# Altium PCB ESP8266-07.PcbDoc (part 2 of 2)
Units mm, origin at the board's own origin, x right, y up, seen from the top; angles counter-clockwise.
Board outline 86.49 x 77.72 mm, 2 copper layers (Top Layer, Bottom Layer); 174 components, 117 nets, 486 pads, 187 vias.
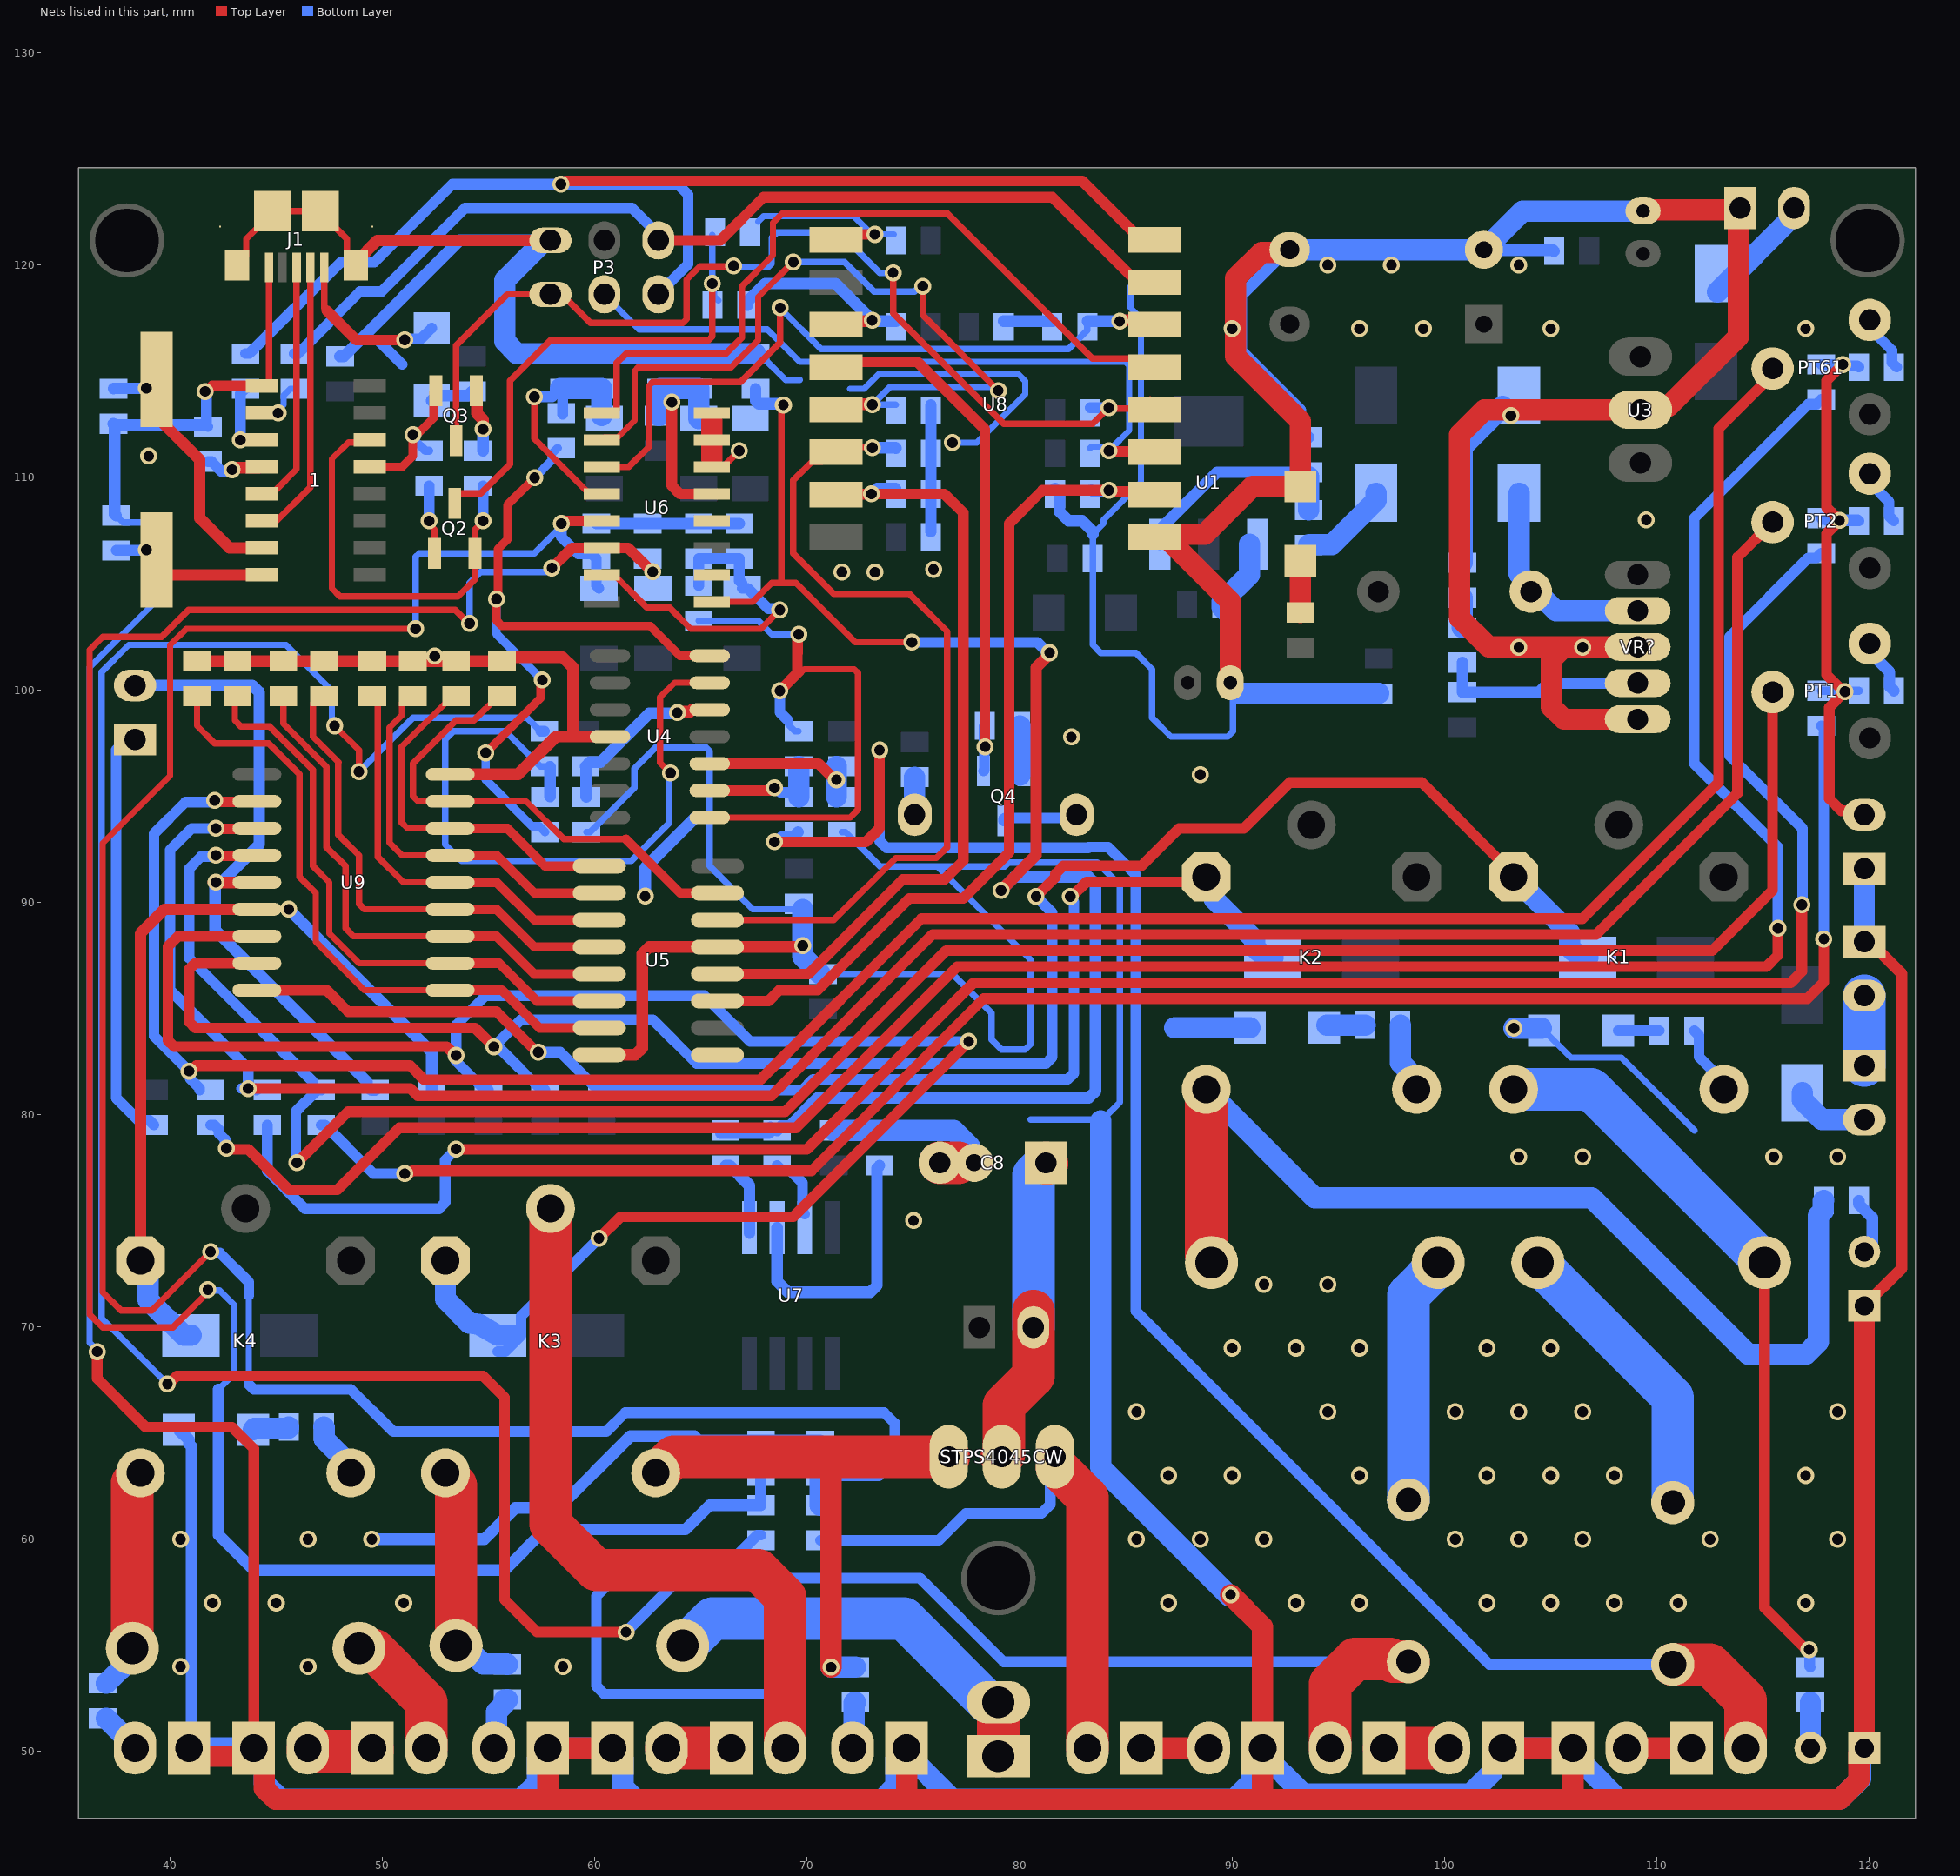
[diagram p2: the nets of this part, all layers, seen from the top]

## Via types
v1: diameter 0.8, hole 0.5, Top Layer to Bottom Layer, 187 vias

## Nets (pads, with @x,y where several pads share a name; then routed paths per layer and width w, separated by ;. In a path a pad name is that pad's centre, name@x,y a point inside that pad or via, vN(x,y) a via of type N, cw(c..) or ccw(c..) an arc to the next point about the centre after c; other vN are vias at no path point) (continued)
ADC_CELL: C20.1 D7.1 R42.2 R47.1 U6.14 | length 110.2
  Top Layer w0.3: v1(41.783,71.755) 41.783,71.628 40.132,69.977 36.83,69.977 36.218,70.589 36.218,101.877 36.83,102.489 39.603,102.489 40.873,103.759 53.422,103.759 54.057,103.124 v1(54.102,103.124)
  Top Layer w0.5: v1@57.912,105.664 58.928,106.68 61.566,106.68 v1@62.709,105.537
  Bottom Layer w0.3: v1(41.783,71.755) 41.83,71.708 42.338,71.708 43.034,71.012 43.034,67.793 42.291,67.05 ; v1(54.102,103.124) 54.102,105.029 54.61,105.537 57.703,105.537 v1@57.897,105.732
  Bottom Layer w0.5: v1@57.897,105.732 v1(57.978,105.732)
  Bottom Layer w0.54: 42.291,67.05 42.291,60.198 43.942,58.547 55.753,58.547 57.67,60.464 64.274,60.464 65.404,61.594 R42.2@67.818,61.594 R47.1@67.818,62.992
  other v1: 62.724,105.551
ADC_VCC_IN: C19.1 D6.1 R41.2 R46.1 U6.13 | length 113.4
  Top Layer w0.3: v1(41.911,73.534) 39.142,70.765 37.702,70.765 36.83,71.637 36.83,92.773 40.005,95.948 40.005,102.108 40.767,102.87 v1(51.562,102.87)
  Top Layer w0.5: v1(58.42,107.823) 58.501,107.823 58.628,107.95 U6.13@60.328,107.95
  Bottom Layer w0.3: 43.707,67.291 43.707,71.482 ; v1(51.562,102.87) 51.562,106.25 51.738,106.426 57.15,106.426 58.42,107.696 v1(58.42,107.823)
  Bottom Layer w0.5: v1(41.911,73.534) 41.968,73.476 42.348,73.476 43.707,72.117 43.707,71.482 ; 43.707,67.291 43.942,67.056 48.514,67.056 50.507,65.063 60.54,65.063 61.436,65.96 73.613,65.96 74.129,65.444 74.129,63.754 73.367,62.992 R46.1@70.612,62.992 ; v1(58.42,107.823) 58.42,107.188 59.211,106.397 59.846,106.397 C19.1@60.071,106.172 60.071,104.901 D6.1@60.198,104.774
  Bottom Layer w1: R41.2@70.612,61.594 R46.1@70.612,62.992
BUZZER: Q4.1 R32.2 U8.4 | length 25.4
  Top Layer w0.5: U8.4@71.36,115.443 75.184,115.443 78.359,112.268 78.359,97.331 v1(78.374,97.316)
  Bottom Layer w0.5: Q4.1@78.298,96.171 78.336,96.209 78.336,97.278 v1(78.374,97.316) ; v1@78.329,97.316 78.329,98.267 R32.2@78.36,98.298
CHARGE_CELL: D21.2 K3.3 R87.2 | length 11.1
  Top Layer w2: K3.3@52.965,63.119 52.965,63.038 53.467,62.536 D21.2@53.467,54.991
  Bottom Layer w1: D21.2@53.467,54.991 53.873,54.991 54.737,54.127 55.855,54.127 R87.2@55.88,54.102
CS0: R29.2 U5.11 U8.16 | length 39.9
  Top Layer w0.5: U5.11@65.773,85.344 68.176,85.344 68.692,85.86 70.493,85.86 74.803,90.17 77.343,90.17 79.502,92.329 79.502,107.823 81.066,109.387 v1(84.194,109.387) 84.251,109.33 U8.16@85.78,109.33
  Bottom Layer w0.5: R29.2@83.368,109.418 83.456,109.33 v1@84.194,109.33
CURRENT_BUF_OUT1: R17.2 R43.1 U4.1 | length 26.9
  Top Layer w0.3: U4.1@65.411,93.98 72.014,93.98 72.39,94.356 72.39,100.789 72.214,100.965 69.857,100.965 69.602,100.71
  Top Layer w0.5: v1(68.707,99.949) 69.535,100.777 69.535,101.716 69.539,101.719 69.539,102.559 v1(69.596,102.616)
  Bottom Layer w0.3: R43.1@64.897,103.249 67.693,103.249 68.326,102.616 v1(69.596,102.616) ; 69.096,98.543 69.096,98.368 69.421,98.043 R17.2@69.596,98.043
  Bottom Layer w0.5: v1(68.707,99.949) 68.707,98.932 69.096,98.543
CURRENT_BUF_OUT2: R19.2 R40.1 U4.7 | length 34.4
  Top Layer w0.4: v1(54.864,97.028) 57.454,99.618 57.454,100.38 v1(57.531,100.457) ; v1(57.169,109.982) 55.88,108.693 55.88,107.061 55.449,106.63 55.449,104.344 v1(55.372,104.267) 55.372,103.251 55.626,102.997 62.611,102.997 64.008,101.6 U4.7@65.411,101.6
  Bottom Layer w0.4: v1(54.864,97.028) 54.864,95.758 57.049,93.573 57.383,93.573 R19.2@57.658,93.298 ; v1(55.372,104.267) 55.372,102.616 v1(57.531,100.457) ; v1(57.169,109.982) 57.97,110.783 57.97,111.104 R40.1@58.245,111.379
CURRENT_IN1: C21.1 D8.1 R43.2 R48.1 U6.15 | length 16.6
  Top Layer w0.3: U6.15@60.328,105.41 60.913,105.41 62.437,103.886 63.5,103.886 64.516,102.87 67.818,102.87 v1(68.707,103.759)
  Bottom Layer w0.254: D8.1@66.929,105.029 D8.1@66.929,104.774 D8.1@66.929,104.774
  Bottom Layer w0.5: R43.2@64.897,104.899 R48.1@64.897,106.172 C21.1@66.802,106.172 66.802,105.124 66.897,105.029 D8.1@66.929,105.029 ; D8.1@66.929,104.774 67.203,104.775 68.162,103.816 68.65,103.816 v1(68.707,103.759)
CURRENT_IN2: C18.1 D5.1 R40.2 R44.1 U6.12 | length 12.2
  Top Layer w0.3: v1(57.15,113.792) 57.15,111.814 59.744,109.22 U6.12@60.328,109.22
  Bottom Layer w0.5: v1(57.15,113.792) 57.991,113.792 R44.1@58.372,114.173 ; R40.2@58.483,112.964 R44.1@58.483,114.11 ; D5.1@60.325,112.902 D5.1@60.452,112.775
  Bottom Layer w1: R44.1@58.372,114.173 C18.1@60.325,114.173 D5.1@60.325,112.902
CURRENT_IN3: C24.1 D9.1 R54.2 R57.1 U6.1 | length 73.1
  Top Layer w0.3: U6.1@65.51,104.14 67.437,104.14 68.326,105.029 68.788,105.029 ; v1(68.876,113.411) 68.788,113.323 68.788,105.029 ; v1(74.93,102.235) 72.263,102.235 69.469,105.029 68.788,105.029
  Top Layer w0.54: v1(79.121,90.551) 80.772,92.202 80.772,101.042 81.407,101.677 v1(81.407,101.742)
  Bottom Layer w0.5: v1(74.93,102.235) 80.833,102.235 81.326,101.742 v1(81.407,101.742)
  Bottom Layer w0.54: R57.1@65.941,79.121 68.2,79.121 68.263,79.184 R54.2@68.263,79.39 ; C24.1@67.564,114.173 67.564,113.601 67.704,113.461 68.826,113.461 v1(68.876,113.411) ; R54.2@68.58,79.247 68.785,79.452 69.165,79.452 70.493,80.78 83.25,80.78 83.566,81.096 83.566,90.87 83.25,91.186 79.756,91.186 v1(79.121,90.551)
CURRENT_IN4: C22.1 D10.1 R55.2 R58.1 U6.5 | length 10.5
  Top Layer w0.5: v1(63.627,113.538) 63.627,109.601 64.008,109.22 U6.5@65.51,109.22
  Bottom Layer w1: R55.2@62.992,112.9 63.031,112.9 63.056,112.925 63.056,114.148 63.081,114.173 R58.1@63.119,114.173 C22.1@64.897,114.173 D10.1@64.897,112.775
CURRENT_IN5: U6.2
CURRENT_OUT1: P7.2 R13.1 R66.2 | length 85.9
  Top Layer w0.5: v1(68.453,92.837) 72.771,92.837 73.406,93.472 v1(73.406,97.155)
  Top Layer w2: R66.2@110.744,54.102 110.75,54.096 112.493,54.096 114.173,52.416 P7.2@114.173,50.165
  Bottom Layer w0.5: v1@68.77,93.073 69.324,93.073 69.572,93.321 R13.1@69.596,93.298 ; v1(73.406,97.155) 73.406,92.876 73.725,92.557 83.236,92.557 83.262,92.583 84.162,92.583 85.471,91.274 85.471,70.739 102.108,54.102 R66.2@110.744,54.102
CURRENT_OUT2: P12.2 R15.1 R73.2 | length 140.4
  Top Layer w0.3: v1(47.748,98.302) 48.895,97.155 v1(48.895,96.139)
  Top Layer w0.5: v1(39.878,67.31) 39.94,67.31 40.321,67.691 54.737,67.691 55.753,66.675 55.753,57.15 57.277,55.626 v1(61.468,55.626)
  Top Layer w2: P12.2@94.615,50.165 94.615,53.184 95.787,54.356 97.443,54.356 97.564,54.235 98.292,54.235 R73.2@98.298,54.229
  Bottom Layer w0.3: v1(39.878,67.31) 36.777,70.411 36.777,100.827 38.058,102.108 45.466,102.108 47.625,99.949 47.625,98.637 47.69,98.572 v1@47.69,98.441 ; v1(48.895,96.139) 51.435,98.679 56.81,98.679 R15.1@57.446,98.043
  Bottom Layer w0.5: R15.1@57.446,98.043 R15.1@57.621,98.043 ; v1(61.468,55.626) 64.008,58.166 75.311,58.166 79.248,54.229 R73.2@98.298,54.229
DTR: 1.13 Q3.2 R64.1 | length 7
  Top Layer w0.4: 1.13@49.403,110.49 49.974,110.49 50.927,110.49 51.435,110.998 v1(51.435,112.014) ; v1@51.534,111.915 52.417,112.798 52.417,113.978 Q3.2@52.517,114.078
  Bottom Layer w0.4: v1(51.435,112.014) 51.512,111.937 51.512,111.762 52.022,111.252 R64.1@52.197,111.252
EN: R9.1 R36.2 U8.3 | length 9.9
  Top Layer w0.55: U8.3@71.407,117.395 71.455,117.348 73.008,117.348 v1(73.055,117.395)
  Bottom Layer w0.55: R9.1@67.183,118.11 67.183,118.285 68.024,119.126 71.325,119.126 v1(73.055,117.395) ; v1@73.084,117.348 R36.2@74.169,117.348
GND: 1.1 C2.2 C3.2 C4.2 C5.2 C6.2 C8.2 C9.2 C10.2 C11.2 C12.2 C13.2 C14.1 C15.2 C16.2 C17.2 C18.2 C19.2 C20.2 C21.2 C22.2 C24.2 C25.2 C26.2 C27.1 C28.2 C29.2 D4.1 J1.5 J1.6 J1.7 J1.8 J1.9 J1.10 J1.11 LED1.2 LED4.2 LED5.2 LED6.2 LED_OUT1.1 LED_OUT2.1 LED_OUT3.1 LED_OUT4.1 LED_OUT5.1 P1.1 P3.5 P4.1 P5.1 P8.1 P9.1 P11.1 P14.1 P17.1 Q4.2 R7.2 R16.2 R18.2 R20.2 R21.2 R22.2 R23.2 R24.2 R25.2 R26.2 R27.2 R28.1 R29.1 R30.1 R31.1 R32.1 R35.1 R44.2 R46.2 R47.2 R48.2 R57.2 R58.2 U1.1 U3.2 U4.11 U5.8 U5.13 U6.6 U6.7 U6.8 U7.5 U8.15 U9.9 VR?.3 VR?.5 | length 794.9
  Top Layer w0.3: J1.9@43.165,119.998 43.59,120.423 43.59,121.219 44.834,122.463 J1.11@44.834,122.538 J1.10@47.084,122.538 47.084,122.463 48.328,121.219 48.328,120.423 J1.8@48.753,119.998 ; 1.1@44.659,114.213 J1.5@44.659,119.888 ; U6.6@65.51,110.49 66.04,110.49 v1(66.802,111.252)
  Top Layer w0.5: v1(36.576,68.834) 36.576,67.564 38.862,65.278 42.926,65.278 43.942,64.262 P11.1@43.942,50.165 ; v1(41.656,114.046) 41.737,114.046 41.991,114.3 1.1@44.069,114.3
  Top Layer w0.54: J1.8@48.753,119.998 48.753,120.148 49.763,121.158 P3.5@57.912,121.158 P3.5@58.039,121.158 ; LED_OUT2.1@119.761,70.993 121.523,72.755 121.523,86.626 120.011,88.138 P14.1@119.761,88.138
  Top Layer w0.55: R20.2@41.656,101.346 R21.2@43.18,101.346 R22.2@45.339,101.346 R23.2@47.244,101.346 R24.2@49.53,101.346 R25.2@51.435,101.346 R26.2@53.467,101.346 R27.2@55.626,101.346 55.812,101.532 58.488,101.532 58.984,101.036 58.984,97.79 ; U9.9@53.191,96.012 56.388,96.012 58.166,97.79 58.984,97.79 ; U5.8@60.211,82.804 61.908,82.804 62.23,83.126 62.23,87.562 62.552,87.884 U5.13@65.773,87.884 69.723,87.884 v1(69.787,87.947) ; U4.11@60.711,97.79 58.984,97.79
  Top Layer w1: LED_OUT5.1@40.894,49.784 43.942,49.784 44.442,49.284 44.442,48.26 44.958,47.744 58.039,47.744 ; P4.1@60.833,50.165 LED_OUT4.1@57.785,50.165 57.785,47.998 58.039,47.744 ; 65.51,110.871 65.51,112.649 ; LED_OUT3.1@74.676,50.165 74.676,47.871 74.549,47.744 ; C8.2@77.865,77.724 C8.2@77.865,77.94 ; U8.15@86.36,107.189 U8.15@86.91,107.189 ; C2.2@89.916,100.33 89.916,104.14 87.11,106.946 87.11,107.089 87.01,107.189 U8.15@86.91,107.189 ; v1(89.929,57.386) 91.44,55.874 P8.1@91.44,50.165 91.44,47.744 ; C9.2@92.71,120.721 92.585,120.596 91.386,120.596 90.17,119.38 90.17,115.697 93.218,112.649 LED1.2@93.218,109.573 90.968,109.573 88.71,107.315 87.01,107.315 87.01,107.289 U8.15@86.91,107.189 ; P9.1@102.743,50.165 P5.1@106.045,50.165 106.045,47.744 ; VR?.3@109.093,102.01 105.615,102.01 ; VR?.5@109.22,98.61 VR?.5@109.093,98.61 105.615,98.61 105.029,99.196 105.029,101.424 105.615,102.01 ; C10.2@109.347,122.539 109.399,122.591 113.828,122.591 113.828,116.622 110.541,113.335 109.373,113.335 U3.2@109.22,113.182 101.883,113.182 100.711,112.01 100.711,103.378 102.079,102.01 105.615,102.01 ; LED_OUT2.1@119.761,70.993 LED_OUT1.1@119.761,50.165 119.511,49.915 119.511,48.645 118.61,47.744 106.045,47.744 ; 58.039,47.744 74.549,47.744 ; 74.549,47.744 91.44,47.744 ; 91.44,47.744 106.045,47.744
  Top Layer w2: C8.2@76.24,77.724 C8.2@77.103,77.724
  Bottom Layer w0.3: v1(36.576,68.834) 36.576,68.902 36.218,69.26 36.218,101.052 39.694,104.528 39.694,106.915 38.73,107.879 37.79,107.879 C29.2@37.465,108.204 ; R18.2@59.6,93.298 59.775,93.298 61.864,95.386 61.864,96.281 62.865,97.282 65.229,97.282 65.405,97.106 65.405,91.694 67.437,89.662 69.781,89.662 C12.2@69.787,89.657 ; C24.2@67.564,115.823 67.739,115.823 68.976,114.586 69.64,114.586 ; C13.2@70.614,86.614 C13.2@70.739,86.614 76.835,86.614 78.675,84.774 78.675,83.529 79.146,83.058 80.264,83.058 80.518,83.312 80.518,87.285 76.128,91.675 ; R16.2@71.628,93.298 71.803,93.298 73.426,91.675 76.128,91.675 ; 72.009,114.173 72.678,114.173 73.394,114.889 79.91,114.889 80.264,114.535 80.264,113.919 77.978,111.633 v1(76.835,111.633) ; 80.518,79.756 83.898,79.756 84.709,80.567 84.709,90.805 83.819,91.695 83.654,91.86 79.477,91.86 79.292,91.675 76.128,91.675 ; 85.217,118.999 85.217,117.977 85.706,117.488 85.706,109.762 83.947,108.003 83.947,107.823 83.439,107.315 C14.1@83.439,106.172 83.439,102.108 83.82,101.727 85.471,101.727 86.233,100.965 86.233,98.679 87.122,97.79 89.789,97.79 90.043,98.044 90.043,100.086 90.043,100.203 C2.2@89.916,100.33 ; 87.122,84.328 87.122,84.25 87.298,84.074 ; LED4.2@104.567,84.056 LED4.2@104.676,83.947 105.946,82.677 108.331,82.677 111.76,79.248
  Bottom Layer w0.5: v1(41.656,114.046) 41.713,113.989 41.713,112.465 41.719,112.459 C27.1@41.783,112.395 ; 49.53,116.459 49.784,116.459 50.927,115.316
  Bottom Layer w0.55: C28.2@37.338,112.522 C28.2@37.401,112.459 ; C29.2@37.465,108.204 37.401,108.267 C28.2@37.401,112.459 ; LED6.2@40.414,65.151 40.889,64.676 40.889,64.486 41.021,64.354 41.021,50.292 LED_OUT5.1@40.894,50.165 ; C27.1@41.719,112.459 C28.2@37.401,112.459 ; C26.2@48.006,115.697 48.181,115.697 53.642,121.158 57.566,121.158 P3.5@57.639,121.158 ; v1(49.5,60) 54.793,60 56.261,61.468 58.293,61.468 61.669,64.844 64.696,64.844 64.898,64.642 R47.2@67.818,64.642 R47.2@67.818,64.642 R46.2@70.612,64.642 R46.2@70.612,64.642 ; C19.2@60.071,107.822 C20.2@62.484,107.822 R48.2@64.897,107.822 C21.2@66.802,107.822 ; v1(62.37,90.279) 62.37,91.625 64.725,93.98 64.897,93.98 ; R57.2@66.167,77.597 66.342,77.597 67.28,76.659 U7.5@67.28,74.676 U7.5@67.28,74.411 ; C25.2@75.819,107.442 R31.1@75.819,109.22 R30.1@75.819,111.125 R28.1@75.819,113.157 R28.1@75.819,113.411 ; C17.2@79.247,117.348 R35.1@81.534,117.348 ; R29.1@81.662,109.474 81.862,109.274 81.862,108.384 82.296,107.95 82.931,107.95 83.439,107.442 83.439,107.315 ; C9.2@92.71,120.721 92.583,120.721 90.424,118.562 90.424,115.951 93.224,113.151 93.224,112.086 93.424,111.886 C3.2@93.599,111.886 ; C5.2@101.854,120.721 101.89,120.686 105.12,120.686 C11.2@105.156,120.65
  Bottom Layer w1: LED_OUT5.1@40.894,50.165 P11.1@43.942,50.165 44.442,49.665 44.442,48.522 45.212,47.752 56.515,47.752 57.285,48.522 57.285,49.665 LED_OUT4.1@57.785,50.165 P4.1@60.833,50.165 61.333,49.665 61.333,48.33 61.919,47.744 73.525,47.744 74.176,48.395 74.176,49.665 LED_OUT3.1@74.676,50.165 74.676,49.915 76.839,47.752 90.092,47.752 90.94,48.6 90.94,49.665 P8.1@91.44,50.165 91.44,49.915 93.349,48.006 101.219,48.006 102.243,49.03 102.243,49.665 P9.1@102.743,50.165 P5.1@106.045,50.165 106.045,49.915 106.785,49.175 106.785,49.169 108.21,47.744 118.61,47.744 119.585,48.719 119.585,49.989 LED_OUT1.1@119.761,50.165 ; P3.5@57.566,121.158 57.412,121.004 57.412,120.931 55.753,119.272 55.753,116.409 56.339,115.823 R44.2@58.547,115.823 C18.2@60.325,115.823 R58.2@63.119,115.823 C22.2@64.897,115.823 C24.2@67.564,115.823 ; P3.5@57.639,121.158 P3.5@57.912,121.158 P3.5@58.039,121.158 ; C12.2@69.787,89.657 v1(69.787,87.947) 69.787,87.442 C13.2@70.614,86.614 ; C16.2@71.247,79.247 C15.2@72.898,79.247 ; C15.2@73.048,79.248 C15.2@73.406,79.248 76.887,79.248 C8.2@77.649,78.486 ; C8.2@77.865,77.724 C8.2@77.865,77.94 ; Q4.2@80.01,95.983 80.035,96.008 80.035,98.273 R32.1@80.01,98.298 ; 83.82,79.697 83.82,63.373 v1@89.868,57.325 ; 87.298,84.074 LED5.2@90.833,84.074 ; C2.2@89.916,100.33 89.916,103.506 89.534,103.888 C4.2@89.534,104.013 89.534,104.138 90.819,105.423 U1.1@90.819,106.849 ; C2.2@90.043,100.086 90.307,99.822 C6.2@96.901,99.822 ; C9.2@92.71,120.721 C5.2@101.854,120.721 103.672,122.539 C10.2@109.347,122.539 ; R7.2@100.838,105.981 100.838,111.438 D4.1@102.743,113.343 ; v1(103.264,84.056) LED4.2@104.567,84.056 ; P14.1@119.761,88.138 P1.1@119.761,91.567
  other v1: 40.5,54 46.5,54 58.5,54 42,57 45,57 51,57 87,57 93,57 96,57 102,57 105,57 108,57 111,57 117,57 40.5,60 46.5,60 85.5,60 88.5,60 91.5,60 100.5,60 103.5,60 106.5,60 112.5,60 118.5,60 87,63 90,63 96,63 102,63 105,63 108,63 117,63 85.5,66 94.5,66 100.5,66 103.5,66 106.5,66 118.5,66 90,69 93,69 96,69 102,69 105,69 91.5,72 94.5,72 75,75 103.5,78 106.5,78 115.5,78 118.5,78 88.5,96 82.436,97.772 52.464,101.582 103.5,102 106.5,102 71.628,105.537 73.19,105.531 75.946,105.664 109.5,108 39,111 103.124,112.903 90,117 96,117 99,117 105,117 117,117 94.5,120 97.5,120 103.5,120
IN1_N: R13.2 R17.1 U4.2 | length 5.8
  Top Layer w0.5: U4.2@65.411,95.25 v1@68.453,95.25
  Bottom Layer w0.5: v1(68.453,95.377) 68.534,95.377 68.738,95.173 69.371,95.173 R13.2@69.596,94.948
  Bottom Layer w1: R13.2@69.596,94.948 R17.1@69.596,96.393
IN1_P: R12.2 R16.1 U4.3 | length 7.7
  Top Layer w0.5: U4.3@65.411,96.52 70.531,96.52 71.293,95.758 v1(71.374,95.758)
  Bottom Layer w1: R16.1@71.374,94.948 v1(71.374,95.758) R12.2@71.374,96.393
IN2_N: R15.2 R19.1 U4.6 | length 32.2
  Top Layer w0.3: v1(63.561,96.078) 63.077,96.562 63.077,99.653 63.754,100.33 U4.6@65.411,100.33
  Bottom Layer w0.3: R15.2@57.621,96.393 57.446,96.393 55.795,98.044 53.34,98.044 52.959,97.663 52.959,92.71 53.721,91.948 61.722,91.948 63.5,93.726 63.5,96.018 v1(63.561,96.078)
  Bottom Layer w0.55: R19.1@57.893,94.967 R15.2@57.893,96.374
IN2_P: R14.2 R18.1 U4.5 | length 8.4
  Top Layer w0.55: v1(63.881,98.918) 63.929,98.966 64.487,98.966 64.572,99.05 65.401,99.05 U4.5@65.411,99.06
  Bottom Layer w0.55: R18.1@59.6,94.948 59.582,94.967 59.582,96.374 R14.2@59.563,96.393 59.763,96.593 60.271,96.593 62.563,98.885 63.848,98.885 v1(63.881,98.918)
IO0: P3.6 Q3.3 R38.2 U8.18 | length 49.4
  Top Layer w0.3: Q3.3@53.467,111.728 53.467,116.205 55.88,118.618 58.039,118.618 58.439,118.618 59.789,117.268 64.143,117.268 64.319,117.444 64.319,119.31 64.942,119.933 66.512,119.933 v1(66.531,119.952) ; v1(74.041,119.634) 74.041,117.729 79.248,112.522 83.432,112.522 v1(84.194,113.284) 84.242,113.236 86.312,113.236 U8.18@86.36,113.189 ; U8.18@86.138,113.665 U8.18@86.36,113.443
  Top Layer w0.5: Q3.3@53.467,111.303 Q3.3@53.467,111.728
  Bottom Layer w0.3: v1(66.531,119.952) 66.595,119.888 68.15,119.888 68.326,120.064 68.326,121.285 68.58,121.539 71.501,121.539 73.406,119.634 v1(74.041,119.634)
  Bottom Layer w0.5: R38.2@83.311,113.284 v1(84.194,113.284)
IO2: P3.4 R39.2 U8.17 | length 33.1
  Top Layer w0.5: v1(84.201,111.252) 84.232,111.221 85.725,111.221 U8.17@85.979,111.475
  Bottom Layer w0.3: P3.4@60.579,118.468 62.08,116.967 68.116,116.967 69.64,115.443 84.976,115.443 85.152,115.267 85.152,112.203 84.302,111.353 84.302,111.348 84.201,111.449 83.382,111.449 R39.2@83.312,111.379
IO4: U6.9 U8.19 | length 36.4
  Top Layer w0.3: U6.9@60.328,113.03 60.913,113.03 61.029,113.147 61.029,115.385 61.468,115.824 66.167,115.824 66.918,116.575 66.918,118.988 68.384,120.454 68.384,121.978 68.834,122.428 76.581,122.428 83.42,115.589 86.214,115.589 U8.19@86.36,115.443
IO5: R35.2 U6.11 U8.20 | length 33.3
  Top Layer w0.3: U6.11@60.328,110.49 61.595,110.49 62.547,111.442 62.547,114.315 62.723,114.49 66.865,114.49 68.726,116.351 68.726,117.976 v1(68.732,117.981)
  Top Layer w0.54: v1@84.764,117.403 U8.20@86.32,117.403
  Bottom Layer w0.3: v1(68.732,117.981) 68.732,117.958 70.65,116.04 82.305,116.04 83.184,116.919 R35.2@83.184,117.094 R35.2@83.184,117.348
  Bottom Layer w0.54: R35.2@83.184,117.348 83.191,117.355 84.702,117.355 v1(84.709,117.348)
IO12: R30.2 U5.14 U8.6 | length 40.1
  Top Layer w0.3: U5.14@65.773,89.154 71.247,89.154 74.168,92.075 76.071,92.075 76.581,92.585 76.581,102.743 74.803,104.521 71.247,104.521 69.342,106.426 69.342,109.855 70.226,110.739 70.691,110.739 71.378,111.425 v1@73.067,111.425
  Bottom Layer w0.54: v1(73.067,111.393) 74.155,111.393 R30.2@74.169,111.379
IO13: R31.2 U5.12 U8.7 | length 37.7
  Top Layer w0.5: U5.12@65.773,86.614 70.054,86.614 74.499,91.059 76.454,91.059 77.343,91.948 77.343,108.331 76.454,109.22 v1(73.025,109.22) 73.009,109.204 U8.7@71.406,109.204
  Bottom Layer w0.5: v1(73.025,109.22) 73.293,109.488 74.155,109.488 R31.2@74.169,109.474
IO14: R28.2 U6.10 U8.5 | length 37.4
  Top Layer w0.3: U6.10@60.328,111.76 60.445,111.877 61.077,111.877 61.874,112.674 61.874,115.013 62.049,115.189 66.421,115.189 67.691,116.459 67.691,118.491 v1(69.342,120.142) ; v1(75.438,118.999) 75.438,117.641 v1(78.994,114.085)
  Top Layer w0.55: U8.5@71.36,113.443 71.362,113.441 73.051,113.441 v1(73.067,113.425)
  Bottom Layer w0.3: v1(69.342,120.142) 71.755,120.142 73.152,118.745 75.049,118.745 75.303,118.999 v1(75.438,118.999) ; R28.2@74.169,113.411 74.155,113.425 v1(73.067,113.425) 73.899,114.257 78.687,114.257 78.859,114.085 v1(78.994,114.085)
LED: LED_EXT2.2 R68.1 U9.14 | length 31.2
  Top Layer w0.54: v1@42.037,90.932 42.048,90.921 44.08,90.921 U9.14@44.091,90.932
  Bottom Layer w0.54: LED_EXT2.2@38.1,100.203 43.88,100.203 44.196,99.887 44.196,92.71 42.468,90.982 42.214,90.982 v1(42.164,90.932) ; v1@42.122,90.847 42.122,88.688 49.277,81.533 49.277,81.358 49.482,81.153 R68.1@49.657,81.153
LED_MUT: R23.1 U5.4 U9.4 | length 22.9
  Top Layer w0.3: R23.1@47.244,99.696 47.069,99.696 46.744,99.371 46.744,99.203 46.736,99.195 46.736,97.79 47.943,96.584 47.925,96.566 47.925,93.172 48.895,92.202 48.895,89.916 49.149,89.662 U9.4@53.191,89.662
  Top Layer w0.44: U9.4@53.191,89.662 55.372,89.662 57.15,87.884 U5.4@59.944,87.884
Net1_2: 1.2 R74.1 | length 1.6
  Bottom Layer w0.3: v1(45.085,113.03) 45.085,113.165 45.347,113.427 45.347,113.848 45.672,114.173 R74.1@45.847,114.173
Net1_3: 1.3 R75.1 | length 2.5
  Bottom Layer w0.5: v1(43.307,111.76) 43.307,113.949 43.532,114.174 R75.1@43.561,114.174
Net1_4: 1.4 C27.2 | length 2.7
  Top Layer w0.55: v1(42.926,110.363) 42.994,110.363 43.078,110.447 1.4@44.196,110.447
  Bottom Layer w0.5: C27.2@41.783,110.745 41.958,110.745 42.467,110.236 42.718,110.236 42.845,110.363 v1(42.926,110.363)
Net1_7: 1.7 C28.1 crystl1.1 | length 12.3
  Top Layer w0.54: crystl1.1@39.37,114.359 39.37,112.859 41.402,110.827 41.402,108.077 42.799,106.68 1.7@44.323,106.68
  Bottom Layer w0.54: C28.1@37.338,114.172 37.353,114.187 38.975,114.187 v1@38.989,114.173
  other v1: 38.89,114.202
Net1_8: 1.8 C29.1 crystl1.2 | length 9.1
  Top Layer w0.3: crystl1.2@39.32,105.41 39.028,105.524 39.07,105.859 crystl1.2@39.37,105.859
  Top Layer w0.54: crystl1.2@39.37,105.859 39.37,105.509 39.469,105.41 1.8@44.323,105.41
  Bottom Layer w0.3: C29.1@37.465,106.554 37.479,106.568 37.493,106.582 v1(38.89,106.582)
  Bottom Layer w0.5: C29.1@37.479,106.568 38.876,106.568 v1(38.89,106.582)
NetC3_1: C3.1 R2.1 U1.3 | length 10.4
  Bottom Layer w0.54: U1.3@86.6,106.849 86.6,107.549 89.288,110.237 93.346,110.237 C3.1@93.346,110.109 ; C3.1@93.472,110.111 93.519,110.111 C3.1@93.599,110.031
  Bottom Layer w1: R2.1@93.599,108.458 C3.1@93.599,110.031
NetC8_1: C8.1 F1.2 STPS4045CW.2 | length 15.5
  Top Layer w2: STPS4045CW.2@79.161,63.881 79.261,63.981 79.261,66.307 80.645,67.691 F1.2@80.645,69.977 F1.2@80.645,70.739 ; C8.1@81.24,77.724 C8.1@81.28,77.684
  Bottom Layer w2: F1.2@80.645,69.977 80.645,77.129 C8.1@81.24,77.724
NetC15_1: C15.1 U7.6 | length 13.3
  Bottom Layer w0.54: U7.6@68.58,74.676 68.58,72.136 69.088,71.628 72.963,71.628 73.279,71.944 73.279,77.471 C15.1@73.406,77.598
NetD1_2: D1.2 R2.2 | length 4.4
  Bottom Layer w1: R2.2@93.599,106.808 93.624,106.833 94.699,106.833 96.774,108.908 D1.2@96.774,109.258
NetD4_2: D4.2 L1.1 VR?.2 | length 10.4
  Bottom Layer w1: D4.2@103.505,109.258 103.505,105.448 104.059,104.894 L1.1@104.059,104.623 104.33,104.623 105.243,103.71 VR?.2@109.22,103.71
NetD12_2: D12.2 R66.1 | length 13.9
  Bottom Layer w2: D12.2@104.394,73.025 110.744,66.675 R66.1@110.744,61.722
NetD15_2: D15.2 R73.1 | length 11.8
  Bottom Layer w2: R73.1@98.298,61.849 98.298,71.493 99.695,72.89 D15.2@99.695,73.025
NetD18_2: D18.2 P17.2 | length 5.4
  Bottom Layer w1: D18.2@112.853,118.734 116.459,122.341 P17.2@116.459,122.682
NetD19_2: D19.2 P16.2 | length 4
  Bottom Layer w1: D19.2@116.84,81.026 116.84,80.676 117.76,79.756 P16.2@120.142,79.756
NetD20_2: D20.2 P13.2 | length 6.4
  Top Layer w2: D20.2@48.895,54.864 48.991,54.768 49.626,54.768 52.07,52.324 P13.2@52.07,50.165
NetD21_1: D21.1 P2.1 P2.2 | length 21.9
  Top Layer w2: D21.1@64.135,54.991 D21.1@64.27,54.991 ; P2.1@78.994,49.784 P2.2@78.994,51.943
  Bottom Layer w2: D21.1@64.135,54.991 64.27,54.991 65.54,56.261 74.557,56.261 78.494,52.324 P2.2@78.994,52.324 P2.1@78.994,49.784
NetF2_1: F2.1 J1.1 | length 7.8
  Top Layer w0.3: J1.1@47.259,119.888 47.259,117.968 47.371,117.856
  Top Layer w0.5: 47.371,117.856 48.768,116.459 51.039,116.459 v1(51.054,116.474)
  Bottom Layer w0.5: v1(51.054,116.474) 51.106,116.526 51.824,116.526 F2.1@52.324,117.026
NetF2_2: F2.2 R11.2 | length 2.1
  Bottom Layer w0.55: F2.2@52.324,113.616 52.554,113.846 54.022,113.846 R11.2@54.222,114.046
NetK1_2: K1.2 R89.2 | length 3.3
  Bottom Layer w0.5: R89.2@111.76,83.947 111.985,83.722 111.985,82.707 113.151,81.541 K1.2@113.151,81.186
NetK2_2: K2.2 R90.2 | length 3.3
  Bottom Layer w0.5: K2.2@98.679,81.186 K2.2@98.679,81.673
  Bottom Layer w1: R90.2@97.917,84.201 97.917,82.435 K2.2@98.679,81.673
NetK4_2: K4.2 R91.2 | length 2.7
  Bottom Layer w1: R91.2@47.243,65.278 47.268,65.253 47.268,64.711 48.508,63.471 K4.2@48.508,63.119
NetLED1_1: LED1.1 R8.1 | length 2.4
  Top Layer w1: R8.1@93.218,103.632 LED1.1@93.218,106.073
NetLED4_1: LED4.1 R89.1 | length 1.9
  Bottom Layer w0.5: LED4.1@108.176,83.947 R89.1@110.11,83.947
NetLED5_1: LED5.1 R90.1 | length 2
  Bottom Layer w0.5: LED5.1@94.333,84.074 LED5.1@94.46,84.201
  Bottom Layer w1: LED5.1@94.46,84.201 R90.1@96.267,84.201
NetLED6_1: LED6.1 R91.1 | length 1.8
  Bottom Layer w1: LED6.1@43.914,65.151 43.977,65.215 45.568,65.215 45.593,65.24 R91.1@45.593,65.278
NetLED_EXT2_1: LED_EXT2.1 R50.1 | length 19.5
  Bottom Layer w0.5: LED_EXT2.1@38.1,97.663 37.965,97.663 37.465,97.163 37.465,80.772 38.509,79.728 39.018,79.728 R50.1@39.243,79.503
NetLED_OUT1_2: LED_OUT1.2 R84.1 | length 2.2
  Bottom Layer w1: LED_OUT1.2@117.221,50.165 R84.1@117.221,52.325
NetLED_OUT2_2: LED_OUT2.2 R85.1 | length 2.7
  Bottom Layer w0.54: R85.1@119.507,75.946 119.507,75.771 120.142,75.136 LED_OUT2.2@120.142,73.533
NetLED_OUT3_2: LED_OUT3.2 R86.1 | length 2.2
  Bottom Layer w1: LED_OUT3.2@72.136,50.165 72.2,50.229 72.2,52.3 72.225,52.325 R86.1@72.263,52.325
NetLED_OUT4_2: LED_OUT4.2 R87.1 | length 2.6
  Bottom Layer w1: LED_OUT4.2@55.245,50.165 55.372,50.292 55.372,51.866 55.73,52.224 55.73,52.427 55.855,52.427 R87.1@55.88,52.452
NetLED_OUT5_2: LED_OUT5.2 R88.1 | length 2.1
  Bottom Layer w0.5: R88.1@36.83,51.562 R88.1@37.005,51.562 ; LED_OUT5.2@38.354,50.165 LED_OUT5.2@38.354,50.213
  Bottom Layer w1: R88.1@37.005,51.562 LED_OUT5.2@38.354,50.213
NetP4_2: P4.2 P6.1 | length 3
  Top Layer w2: P4.2@63.373,50.165 P6.1@66.421,50.165
NetP5_2: P5.2 P7.1 | length 3
  Top Layer w1: P5.2@108.585,50.165 P7.1@111.633,50.165
NetP8_2: P8.2 P10.1 | length 3.2
  Top Layer w1: P10.1@85.725,50.165 P8.2@88.9,50.165
NetP9_2: P9.2 P12.1 | length 3
  Top Layer w2: P12.1@97.155,50.165 P9.2@100.203,50.165
NetP11_2: P11.2 P13.1 | length 3.4
  Top Layer w2: P11.2@46.482,50.165 46.482,50.012 49.53,50.012 P13.1@49.53,50.165
NetP14_2: P14.2 P16.1 | length 3.3
  Bottom Layer w2: P16.1@119.761,82.296 P14.2@119.761,85.598
NetPT1_3: PT1.3 R82.1 | length 2.7
  Bottom Layer w0.54: PT1.3@120.015,102.171 120.015,101.776 120.953,100.838 120.953,100.154 R82.1@121.158,99.949
NetPT2_3: PT2.3 R80.1 | length 2.7
  Bottom Layer w0.5: PT2.3@120.015,110.172 120.015,109.767 120.933,108.849 120.933,108.175 R80.1@121.158,107.95
NetPT61_3: PT61.3 R78.1 | length 2.7
  Bottom Layer w0.5: PT61.3@120.015,117.411 120.015,117.025 121.059,115.981 121.059,115.414 R78.1@121.284,115.189
NetQ2_1: Q2.1 R64.2 | length 3.3
  Top Layer w0.3: v1(52.197,107.95) 52.197,107.815 52.456,107.556 Q2.1@52.456,106.426
  Bottom Layer w0.5: v1(52.197,107.95) R64.2@52.197,109.602
NetQ2_3: Q2.3 R9.2 R10.1 | length 24.2
  Top Layer w0.3: Q2.3@53.406,108.776 53.406,109.201 53.456,109.251 54.641,109.251 56.007,110.617 56.007,114.554 57.912,116.459 65.356,116.459 65.532,116.635 v1(65.532,119.126)
  Bottom Layer w0.3: R10.1@65.532,121.412 v1(65.532,119.126) v1@65.532,118.786 ; R10.1@65.708,121.039 R10.1@65.716,121.039 ; v1@65.532,118.786 65.615,118.702 65.615,118.536 65.827,118.325 65.818,118.325 65.532,118.61 v1@65.532,118.786
NetQ3_1: Q3.1 R69.2 | length 3
  Top Layer w0.55: Q3.1@54.417,114.078 54.442,114.053 54.442,113.012 54.737,112.717 v1(54.737,112.268)
  Bottom Layer w0.55: R69.2@54.737,111.251 v1(54.737,112.268)
NetQ4_3: Q4.3 SP1.2 | length 3.6
  Bottom Layer w0.5: Q4.3@79.248,93.821 79.248,93.914 79.298,93.964 82.534,93.964 SP1.2@82.677,94.107
NetR4_2: R4.2 R5.1 VR?.4 | length 10
  Bottom Layer w0.54: R5.1@100.838,101.284 R4.2@100.838,99.884 104.453,99.884 104.879,100.31 VR?.4@109.22,100.31
NetR5_2: R5.2 R7.1 | length 1.4
  Bottom Layer w1: R5.2@100.838,102.933 R7.1@100.838,104.332
NetR33_2: R33.2 R79.1 | length 110.4
  Top Layer w0.5: v1@42.672,78.359 43.688,78.359 45.593,76.454 47.879,76.454 50.8,79.375 69.469,79.375 77.053,86.959 115.153,86.959 115.697,87.503 v1(115.697,88.773)
  Bottom Layer w0.5: R33.2@41.91,79.503 42.085,79.503 42.31,79.278 42.31,79.103 42.595,78.818 42.595,78.466 v1(42.652,78.408) ; v1(115.697,88.773) 115.697,92.583 111.76,96.52 111.76,108.077 117.124,113.441 117.504,113.441 R79.1@117.729,113.666
NetR34_2: R34.2 R81.1 | length 104.1
  Top Layer w0.5: v1(53.467,78.374) 53.482,78.359 69.977,78.359 77.823,86.205 116.304,86.205 116.826,86.727 v1(116.826,89.874)
  Bottom Layer w0.5: R34.2@44.577,79.503 44.577,77.343 46.355,75.565 52.666,75.565 52.959,75.858 52.959,77.851 53.467,78.359 v1(53.467,78.374) ; v1@116.848,89.916 116.848,93.464 113.411,96.901 113.411,102.489 117.123,106.201 117.504,106.201 R81.1@117.729,106.426
NetR49_2: R49.2 SP1.1 | length 1.8
  Bottom Layer w1: SP1.1@75.057,94.107 R49.2@75.057,95.886
NetR77_2: R77.2 R83.1 | length 87.7
  Top Layer w0.5: v1(51.054,77.216) 51.111,77.273 51.324,77.273 51.393,77.343 70.195,77.343 78.303,85.451 117.074,85.451 117.856,86.233 v1(117.856,88.265)
  Bottom Layer w0.5: R77.2@47.117,79.503 47.292,79.503 49.579,77.216 v1(51.054,77.216) ; R83.1@117.729,98.299 117.758,98.299 117.983,98.074 117.856,97.947 v1(117.856,88.265)
OUTPUT1: D12.1 K1.3 R84.2 | length 35.2
  Top Layer w0.5: D12.1@115.062,73.025 115.062,56.769 v1@117.093,54.738
  Bottom Layer w0.5: v1(117.16,54.805) 117.191,54.774 117.191,54.005 R84.2@117.221,53.975
  Bottom Layer w2: K1.3@103.251,81.186 106.901,81.186 D12.1@115.062,73.025
OUTPUT2: D15.1 K2.3 R85.2 | length 49.3
  Top Layer w2: K2.3@88.779,81.186 88.779,73.408 89.027,73.16 D15.1@89.027,73.025
  Bottom Layer w1: K2.3@88.779,81.186 93.892,76.073 106.934,76.073 114.3,68.707 117.016,68.707 117.602,69.293 117.602,75.238 117.832,75.468 117.832,75.921 R85.2@117.857,75.946
OUTPUT3: D20.1 K4.3 R88.2 | length 10.7
  Top Layer w2: D20.1@38.227,54.864 38.227,62.657 38.608,63.038 K4.3@38.608,63.119
  Bottom Layer w0.55: R88.2@36.83,53.212 R88.2@37.005,53.212 ; D20.1@38.227,54.434 D20.1@38.227,54.864
  Bottom Layer w1: R88.2@37.005,53.212 D20.1@38.227,54.434
OUTPUT5: K3.1 P6.2 R42.1 | length 59.3
  Top Layer w1: P6.2@68.77,50.356 P6.2@68.961,50.165
  Top Layer w2: K3.1@57.915,75.569 57.915,60.703 60.071,58.547 67.691,58.547 68.961,57.277 P6.2@68.961,50.165
  Bottom Layer w0.5: R42.1@67.818,60.198 67.643,60.198 66.627,59.182 61.928,59.182 60.071,57.325 60.071,53.086 60.452,52.705 68.668,52.705 68.961,52.412 P6.2@68.961,50.165
QA: R27.1 U5.15 U9.8 | length 23.2
  Top Layer w0.3: R27.1@55.626,99.696 55.451,99.696 54.307,98.552 53.467,98.552 51.446,96.531 51.446,94.985 51.689,94.742 56.769,94.742 ; 56.814,94.697 58.547,92.964 61.468,92.964
  Top Layer w0.44: 61.468,92.964 64.008,90.424 U5.15@65.773,90.424
QB: R26.1 U5.1 U9.7 | length 17.1
  Top Layer w0.3: U9.7@53.191,93.472 51.181,93.472 50.892,93.761 50.892,97.296 53.292,99.696 R26.1@53.467,99.696
  Top Layer w0.44: U9.7@53.191,93.472 55.88,93.472 57.501,91.851 ; 57.658,91.694 U5.1@60.211,91.694
QC: R25.1 U5.2 U9.6 | length 18.3
  Top Layer w0.3: R25.1@51.435,99.696 51.26,99.696 50.935,99.371 50.935,98.814 50.338,98.217 50.338,92.791 50.927,92.202 U9.6@53.191,92.202
  Top Layer w0.44: U9.6@53.191,92.202 55.372,92.202 57.15,90.424 U5.2@60.211,90.424
QD: R24.1 U5.3 U9.5 | length 19.3
  Top Layer w0.3: R24.1@49.53,99.696 49.784,99.442 49.784,92.132 50.984,90.932 U9.5@53.191,90.932
  Top Layer w0.44: U9.5@53.191,90.932 55.372,90.932 57.15,89.154 U5.3@60.211,89.154
QF: R22.1 U5.5 U9.3 | length 25
  Top Layer w0.3: R22.1@45.339,99.696 45.339,98.404 47.371,96.372 47.371,92.583 48.26,91.694 48.26,88.773 48.641,88.392 U9.3@53.191,88.392
  Top Layer w0.44: U9.3@53.191,88.392 55.372,88.392 57.15,86.614 U5.5@60.211,86.614
QG: R21.1 U5.6 U9.2 | length 27.9
  Top Layer w0.3: R21.1@43.18,99.696 43.053,99.569 43.053,98.552 43.328,98.277 44.683,98.277 46.736,96.223 46.736,91.694 47.498,90.932 47.498,88.519 48.895,87.122 U9.2@53.191,87.122
  Top Layer w0.44: U9.2@53.191,87.122 55.499,87.122 57.277,85.344 U5.6@60.211,85.344
QH: R20.1 U5.7 U9.1 | length 30.4
  Top Layer w0.3: R20.1@41.275,99.696 41.275,98.298 42.1,97.472 44.641,97.472 46.101,96.012 46.101,91.186 46.863,90.424 46.863,88.138 49.149,85.852 U9.1@53.191,85.852
  Top Layer w0.44: U9.1@53.191,85.852 55.626,85.852 57.404,84.074 U5.7@60.211,84.074
QH': U5.9
R: P1.2 R78.2 R79.2 R80.2 R81.2 R82.2 R83.2 | length 31.2
  Top Layer w0.5: v1(118.745,115.316) 117.983,114.554 117.983,108.585 v1(118.597,107.971) 117.983,107.357 117.983,100.711 118.787,99.907 v1(118.85,99.907) 118.11,99.167 118.11,94.869 118.681,94.298 119.951,94.298 P1.2@120.142,94.107
  Bottom Layer w0.4: R83.2@117.729,99.949 R82.2@119.508,99.949
  Bottom Layer w0.5: R81.2@117.729,108.076 117.792,108.013 119.445,108.013 R80.2@119.508,107.95 R81.2@118.031,107.95 ; R79.2@117.729,115.316 v1(118.745,115.316) 118.802,115.259 119.438,115.259 R78.2@119.508,115.189
RELAY1: D14.1 K2.5 R60.1 U9.18 | length 61.2
  Top Layer w0.5: U9.18@44.091,85.852 47.371,85.852 48.387,84.836 55.372,84.836 57.277,82.931 v1(57.34,82.931) ; v1(82.377,90.262) 82.458,90.262 83.151,90.955 88.548,90.955 K2.5@88.779,91.186
  Bottom Layer w0.5: v1(57.34,82.931) 58.372,82.931 60.15,81.153 69.771,81.153 70.268,81.65 82.257,81.65 82.55,81.943 82.55,90.008 82.377,90.181 v1(82.377,90.262)
  Bottom Layer w1: K2.5@88.779,91.186 89.147,90.818 89.147,90.149 91.07,88.226 91.07,87.876 91.57,87.376 D14.1@91.92,87.376
RELAY2: D13.1 K1.5 R61.1 U9.17 | length 91.7
  Top Layer w0.5: U9.17@44.091,87.122 41.187,87.122 40.894,86.829 40.894,84.367 41.187,84.074 54.356,84.074 v1(55.245,83.185) ; v1(80.772,90.262) 81.681,91.171 81.681,91.333 82.057,91.709 85.74,91.709 87.503,93.472 90.551,93.472 92.71,95.631 98.933,95.631 103.251,91.313 K1.5@103.251,91.186
  Bottom Layer w0.5: R61.1@57.658,81.153 57.483,81.153 55.508,83.128 55.302,83.128 v1(55.245,83.185) 55.348,83.288 56.515,84.455 62.738,84.455 64.789,82.404 81.241,82.404 81.534,82.697 81.534,89.5 v1(80.772,90.262)
  Bottom Layer w1: K1.5@103.251,91.186 105.891,88.546 105.891,87.876 106.391,87.376 D13.1@106.741,87.376
RELAY3: D16.1 K3.5 R65.1 U9.16 | length 86.5
  Top Layer w0.5: U9.16@44.091,88.392 40.386,88.392 39.902,87.908 39.902,83.478 40.195,83.185 53.024,83.185 53.405,82.804 v1@53.467,82.804 ; v1(60.198,74.168) 61.214,75.184 69.342,75.184 v1(77.597,83.439)
  Bottom Layer w0.5: R65.1@54.991,81.153 54.816,81.153 53.467,82.502 v1(53.467,82.78) 53.467,84.201 54.864,85.598 65.151,85.598 67.31,83.439 v1(77.597,83.439) ; D16.1@55.433,68.834 55.783,68.834 56.533,69.584 56.533,70.503 v1(60.198,74.168)
  Bottom Layer w1: K3.5@52.965,73.119 52.965,71.302 54.087,70.18 54.552,70.116 54.583,70.096 D16.1@55.433,69.596 D16.1@56.195,69.596
RELAY4: D17.1 K4.5 R67.1 U9.15 | length 37.4
  Top Layer w0.54: K4.5@38.608,73.119 38.608,88.519 39.751,89.662 U9.15@44.091,89.662
  Bottom Layer w0.54: v1(45.593,89.662) 52.324,82.931 R67.1@52.324,81.153
  Bottom Layer w1: K4.5@38.608,73.119 38.976,72.751 38.976,71.263 40.643,69.596 D17.1@40.993,69.596
RES1: PT1.2 R77.1 U9.13 | length 104.2
  Top Layer w0.5: v1@42.451,92.183 44.072,92.183 U9.13@44.091,92.202 ; v1(45.974,77.724) 48.379,80.129 68.953,80.129 76.537,87.713 112.605,87.713 115.443,90.551 PT1.2@115.443,99.885
  Bottom Layer w0.5: v1@42.025,92.226 42.025,92.145 41.472,92.145 40.894,91.567 40.894,87.376 46.717,81.553 46.717,81.378 R77.1@46.942,81.153 ; v1(45.974,77.724) 45.917,77.781 45.917,80.14 46.317,80.54 46.329,80.54 R77.1@46.942,81.153 ; R77.1@47.117,81.153 R77.1@46.942,81.153
  other v1: 42.164,92.202
RES2: PT2.2 R34.1 U9.12 | length 107.6
  Top Layer w0.5: v1(42.164,93.472) 42.183,93.453 44.072,93.453 U9.12@44.091,93.472 ; v1(43.682,81.223) 51.315,81.223 51.655,80.883 68.31,80.883 75.894,88.467 107.136,88.467 113.792,95.123 113.792,106.235 PT2.2@115.443,107.886
  Bottom Layer w0.5: v1(42.164,93.472) 42.157,93.465 41.014,93.465 40.005,92.456 40.005,85.852 43.682,82.175 v1(43.682,81.223) ; v1@43.364,81.223 v1(43.682,81.223) ; R34.1@44.069,81.153 43.999,81.223 v1(43.682,81.223)
RES3: PT61.2 R33.1 U9.11 | length 117.2
  Top Layer w0.5: v1(40.894,82.042) 40.975,82.042 41.229,82.296 51.308,82.296 51.967,81.637 67.794,81.637 75.378,89.221 106.493,89.221 112.903,95.631 112.903,112.295 115.443,114.835 PT61.2@115.443,115.125 ; v1(42.107,94.789) 42.172,94.723 44.072,94.723 U9.11@44.091,94.742
  Bottom Layer w0.5: R33.1@41.402,81.153 41.402,81.232 40.951,81.683 40.951,81.985 v1(40.894,82.042) 39.243,83.693 39.243,93.218 40.732,94.707 42.025,94.707 v1(42.107,94.789)
RST: R10.2 R37.2 U8.1 | length 8.7
  Top Layer w0.5: U8.1@71.36,121.443 71.361,121.442 73.179,121.442 v1(73.18,121.441)
  Bottom Layer w0.3: R10.2@67.691,122.047 67.945,122.301 72.184,122.301 73.045,121.441 R37.2@74.071,121.441
RTS: 1.14 Q2.2 R69.1 | length 20
  Top Layer w0.3: 1.14@49.422,111.76 49.308,111.647 48.401,111.647 47.625,110.871 47.625,104.775 48.006,104.394 53.561,104.394 54.356,105.189 Q2.2@54.356,106.426 54.356,107.543 54.737,107.924 v1(54.737,107.95)
  Bottom Layer w0.5: v1(54.737,107.95) R69.1@54.737,109.601
RXD: P3.2 R75.2 U8.22 | length 58.7
  Top Layer w0.5: v1(58.401,123.806) 58.482,123.806 58.632,123.956 82.943,123.956 85.71,121.189 U8.22@86.36,121.189
  Bottom Layer w0.5: R75.2@43.561,115.824 43.736,115.824 48.054,120.142 49.624,120.142 50.299,120.817 53.288,123.806 v1(58.401,123.806) 63.9,123.806 64.389,123.317 64.389,120.038 63.119,118.768 P3.2@63.119,118.618
TXD: P3.1 R74.2 U8.21 | length 46.6
  Top Layer w0.5: P3.1@63.119,121.158 65.913,121.158 67.945,123.19 81.534,123.19 85.185,119.539 86.01,119.539 U8.21@86.36,119.189
  Bottom Layer w0.5: R74.2@45.847,115.823 46.022,115.823 48.944,118.745 49.952,118.745 53.889,122.682 61.745,122.682 63.119,121.308 P3.1@63.119,121.158
UD+: 1.5 J1.3 | length 11.6
  Top Layer w0.3: 1.5@44.323,109.22 44.491,109.388 44.967,109.388 45.959,110.38 J1.3@45.959,119.888
UD-: 1.6 J1.2 | length 13.4
  Top Layer w0.3: 1.6@44.263,107.823 44.895,107.823 46.609,109.537 J1.2@46.609,119.888
VCC_CELL: K3.2 R86.2 STPS4045CW.3 | length 25.2
  Top Layer w1: v1(71.12,53.975) 71.12,63.754 71.247,63.881
  Top Layer w2: K3.2@62.865,63.119 62.946,63.119 63.708,63.881 71.247,63.881 STPS4045CW.3@76.661,63.881
  Bottom Layer w1: v1(71.12,53.975) R86.2@72.263,53.975
VCC_IN: P10.2 R41.1 STPS4045CW.1 | length 27.7
  Top Layer w2: STPS4045CW.1@81.761,63.381 83.185,61.957 P10.2@83.185,50.165
  Bottom Layer w0.5: R41.1@70.612,59.944 76.2,59.944 77.47,61.214 81.026,61.214 81.443,61.631 81.443,63.663 STPS4045CW.1@81.661,63.881
VIOUT: R54.1 U7.7 | length 3
  Bottom Layer w0.5: R54.1@68.58,77.597 68.805,77.372 69.186,77.372 69.78,76.778 69.78,75.411 U7.7@69.88,75.311
Y7: U6.4
pads on no net: 1.9 1.10 1.11 1.12 1.15 J1.4 PT1.1 PT2.1 PT61.1 U1.4 U4.8 U4.9 U4.10 U4.12 U4.13 U4.14 U8.9 U8.10 U8.11 U8.12 U8.13 U8.14

## Polygon pours and split planes (outlines as drawn)
GND on Top Layer "GND_L01_P000" (solid, remove dead copper, pour order 0): 35.687,46.863 35.687,124.587 122.174,124.587 122.174,46.863
GND on Bottom Layer "GND_L02_P001" (solid, pour order 1): 35.687,46.863 35.687,124.587 122.174,124.587 122.174,46.863

## Keep-outs
Keep-Out Layer:
  lines w0.254: 35.687,46.863 122.174,46.863 122.174,124.587 110.363,124.587 35.687,124.587 35.687,46.863

## Other copper
Top Layer:
  pour cut-out: 87.249,94.996 87.249,79.629 114.681,79.629 114.681,95.123
  pour cut-out: 37.084,77.089 37.084,61.595 64.389,61.595 64.389,77.089
Bottom Layer:
  pour cut-out: 87.249,95.25 87.503,94.996 114.554,94.996 114.554,79.502 87.249,79.502
  pour cut-out: 37.338,76.962 37.465,76.835 64.262,76.835 64.262,61.468 37.211,61.468

## Silkscreen, mask and mechanical layers (free items; w line width, h text height)
Bottom Overlay:
  lines w0.254: 56.388,92.837 56.388,98.044 cw(c57.658,98.044) 57.658,99.314 59.563,99.314 cw(c59.563,98.044) 60.833,98.044 60.833,92.964 ; 68.326,92.837 68.326,97.79 cw(c69.596,97.79) 69.596,99.06 71.628,99.06 cw(c71.628,97.79) 72.898,97.79 72.898,93.091 ; 73.152,107.315 ccw(c73.152,107.442) 73.279,107.442 73.279,114.046 cw(c73.533,114.046) 73.533,114.3 83.312,114.3 cw(c83.312,113.03) 84.582,113.03 84.582,108.839 cw(c84.328,108.839) 84.328,108.585
Bottom Solder:
  lines w1: 38.227,54.864 38.227,62.738 38.608,63.119 ; 48.895,54.864 49.403,54.864 51.943,52.324 51.943,50.292 ; 52.965,63.119 53.467,62.617 53.467,54.991 ; 70.58,67.469 70.58,70.231 ; 78.74,50.038 78.994,49.784 ; 81.661,63.881 83.312,62.23 83.312,50.546 82.931,50.165 ; 88.779,91.186 88.779,90.291 91.821,87.249 ; 89.027,72.771 89.027,80.938 ; 93.726,93.98 94.234,94.488 107.349,94.488 108.201,93.636 110.397,91.44 113.151,91.44 113.151,89.275 111.125,87.249 ; 94.869,49.911 94.869,53.213 95.758,54.102 98.425,54.102 ; 96.139,93.98 96.139,93.599 98.425,91.313 ; 98.298,61.849 98.298,71.374 99.822,72.898 ; 103.251,81.186 106.901,81.186 115.062,73.025 ; 104.394,73.025 110.744,66.675 110.744,61.468 ; 110.744,54.102 110.871,54.229 112.776,54.229 114.3,52.705 114.3,49.911
  lines w2: 43.558,75.569 46.058,75.569 48.508,73.119 ; 60.46,68.911 67.28,68.911 67.945,68.911 ; 63.233,72.751 64.74,72.751 67.83,69.661 ; 70.58,70.231 80.645,69.977
  text "RAMIN NATAJ" at 88.138,122.071 h2
  text "000808" at 94.996,120.16 h1.5

## Text inside footprints (layer, text, board x,y; h text height)
K1: Top Overlay "COM" at 110.233,91.858 h1.2 r180; Top Overlay "NO" at 106.194,84.467 h1.2 r180; Top Overlay "NC" at 112.925,84.416 h1.2 r180
K2: Top Overlay "NC" at 98.453,84.416 h1.2 r180; Top Overlay "NO" at 91.722,84.467 h1.2 r180; Top Overlay "COM" at 95.761,91.858 h1.2 r180
K3: Top Overlay "COM" at 59.947,73.791 h1.2 r180; Top Overlay "NO" at 55.908,66.4 h1.2 r180; Top Overlay "NC" at 62.639,66.349 h1.2 r180
K4: Top Overlay "NC" at 48.282,66.349 h1.2 r180; Top Overlay "NO" at 41.551,66.4 h1.2 r180; Top Overlay "COM" at 45.59,73.791 h1.2 r180
P3: Top Overlay "1" at 65.684,121.818 h1.2 r180; Top Overlay "2" at 65.964,119.151 h1.2 r180